# Altium PCB FINAL_PCB_VER0.PcbDoc (part 3 of 4) (continued)
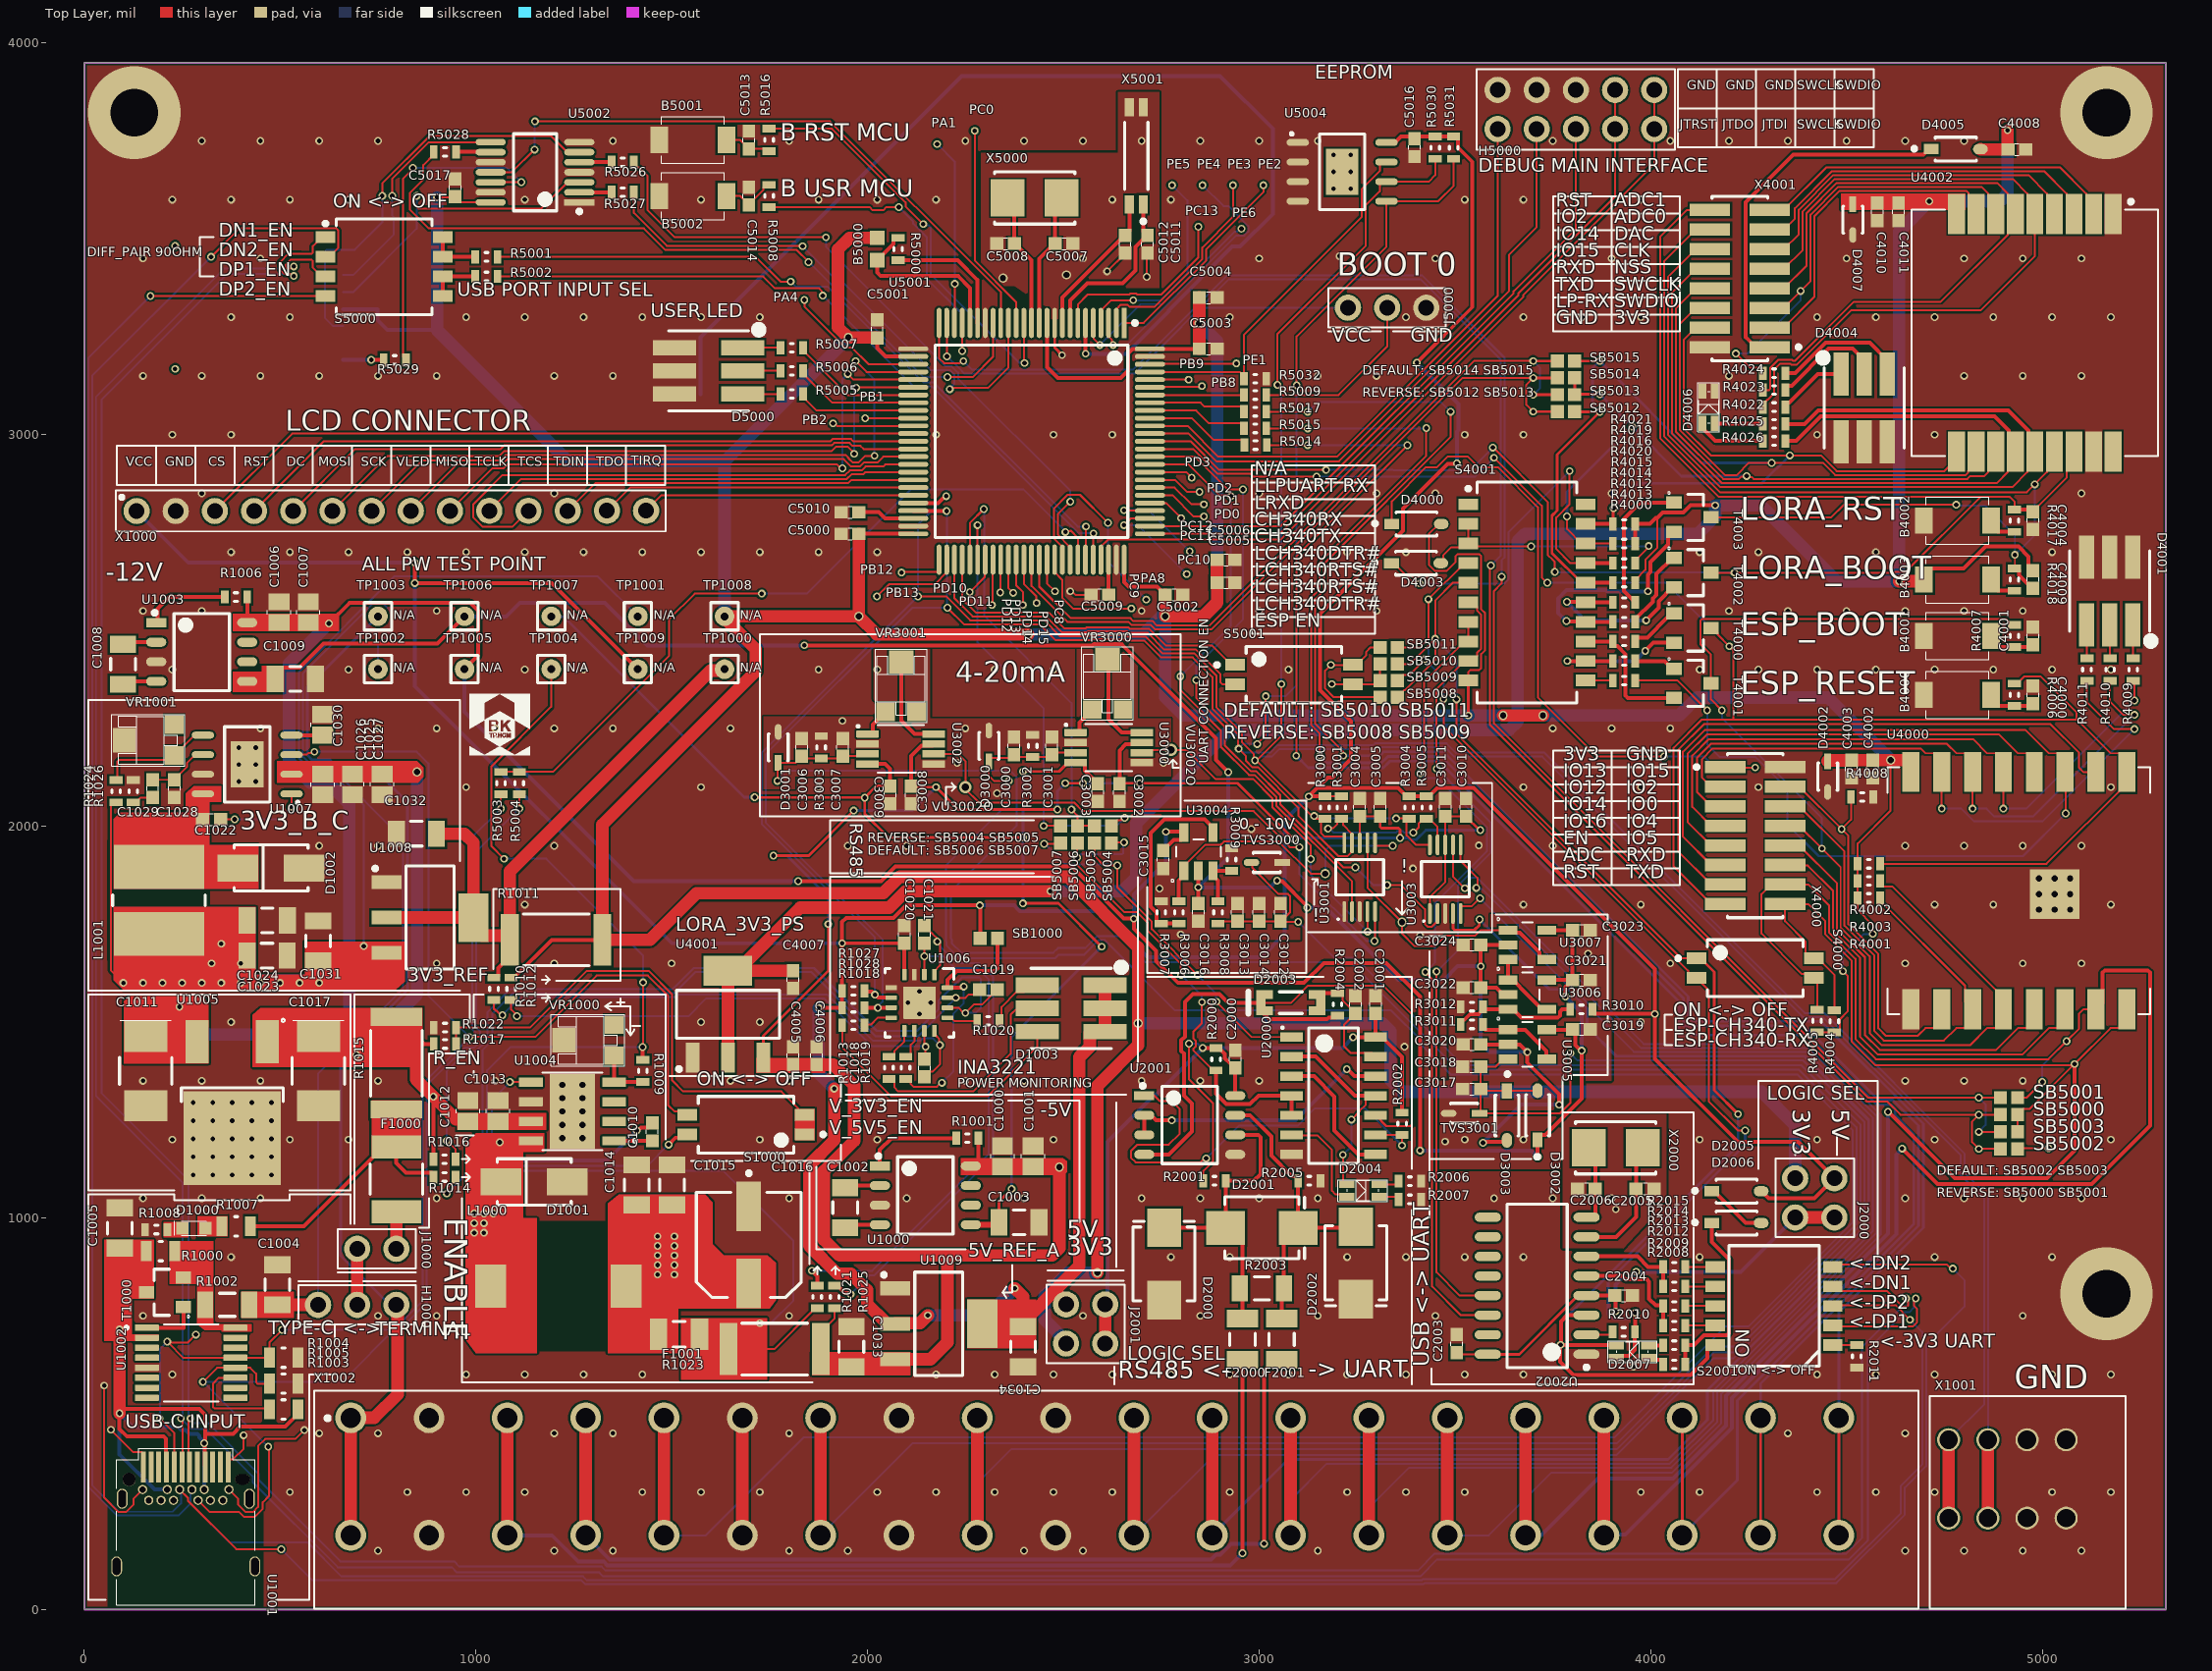
[diagram p0: Top Layer view]
## Nets (pads, with @x,y where several pads share a name; then routed paths per layer and width w, separated by ;. In a path a pad name is that pad's centre, name@x,y a point inside that pad or via, vN(x,y) a via of type N, cw(c..) or ccw(c..) an arc to the next point about the centre after c; other vN are vias at no path point) (continued)
NetD4006_4: D4006.4 R4026.2 | length 179.8
  Top Layer w10: D4006.4@4132.25,3028.66 4137.09,3023.82 4137.09,3011.65 4164.74,2984 R4026.2@4286.46,2984
NetF1000_1: F1000.1 J1000.1 | length 95
  Top Layer w32: J1000.1@797,921 F1000.1@797,1016
NetH1000_2: H1000.2 J1000.2 | length 143
  Top Layer w32: H1000.2@697,778 J1000.2@697,921
NetJ5000_2: J5000.2 R5009.1 | length 458.8
  Top Layer w5: R5009.1@3018.54,3101.11 3203.14,3101.11 3327,3224.97 J5000.2@3327,3324
NetPA1_1: PA1.1 U5001.23 | length 475.8
  Top Layer w5: U5001.23@2222.15,3285.18 2222.57,3285.61 2222.57,3384.57 v1(2223,3385)
  Bottom Layer w5: PA1.1@2178,3742 2223,3697 v1(2223,3385)
NetPA4_1: PA4.1 U5001.28 | length 355.9
  Top Layer w5: PA4.1@1839,3344 1839.11,3343.89 1839.11,3326.66 1943.71,3222.06 1960.47,3222.06 2002.68,3179.85 U5001.28@2116.82,3179.85
NetPA8_1: PA8.1 U5001.67 | length 558.6
  Top Layer w5: U5001.67@2497.74,2680.82 2497.74,2713.15 2475.66,2735.24 2475.66,2811.18 2510.82,2846.34 2542.66,2846.34 v1(2614,2775)
  Bottom Layer w5: v1(2614,2775) 2614,2677 PA8.1@2712,2579
NetPB8_1: PB8.1 U5001.95 | length 134.1
  Top Layer w5: U5001.95@2721.18,3120.8 2722.58,3122.19 2852.19,3122.19 PB8.1@2854,3124
NetPB9_1: PB9.1 U5001.96 | length 98.8
  Top Layer w5: U5001.96@2721.18,3140.48 PB9.1@2820,3140.48
NetPB12_1: PB12.1 U5001.51 | length 125.7
  Top Layer w5: PB12.1@2087,2648 2088.49,2649.49 2179.41,2649.49 2182.78,2652.86 U5001.51@2182.78,2680.82
NetPB13_1: PB13.1 U5001.52 | length 236.3
  Top Layer w5: PB13.1@2024,2587 2055.05,2618.05 2172.03,2618.05 2202.46,2648.48 U5001.52@2202.46,2680.82
NetPC0_1: PC0.1 U5001.15 | length 534.6
  Top Layer w5: PC0.1@2274,3776 2274,3444.69 2379.63,3339.06 U5001.15@2379.63,3285.18
NetPC8_1: PC8.1 U5001.65 | length 89.4
  Top Layer w5: U5001.65@2458.37,2680.82 2458.37,2620.63 PC8.1@2479,2600
NetPC9_1: PC9.1 U5001.66 | length 293.3
  Top Layer w5: U5001.66@2478.06,2680.82 2478.06,2648.48 2497,2629.53 2497,2584 2525,2556 PC9.1@2674,2556
NetPC10_1: PC10.1 U5001.78 | length 285.1
  Top Layer w5: v1(2655,2769) 2672.15,2786.15 U5001.78@2721.18,2786.15
  Bottom Layer w5: v1(2655,2769) 2690,2769 PC10.1@2815,2644
NetPC11_1: PC11.1 U5001.79 | length 278.2
  Top Layer w5: v1(2655,2807) 2655.58,2806.42 2720.6,2806.42 U5001.79@2721.18,2805.83
  Bottom Layer w5: v1(2655,2807) 2718,2807 PC11.1@2823,2702
NetPC12_1: PC12.1 U5001.80 | length 95.8
  Top Layer w5: U5001.80@2721.18,2825.52 2721.36,2825.35 2762.65,2825.35 PC12.1@2801,2787
NetPC13_1: PC13.1 U5001.7 | length 485.5
  Top Layer w5: U5001.7@2537.11,3285.18 2537.11,3332.35 2562.53,3357.77 2668.49,3357.77 2671.42,3360.7 2685.79,3360.7 2688.72,3357.77 2749.77,3357.77 2845,3453 PC13.1@2845,3531
NetPD10_1: PD10.1 U5001.57 | length 99.3
  Top Layer w5: PD10.1@2261,2598 2299.49,2636.49 2299.49,2679.42 U5001.57@2300.89,2680.82
NetPD11_1: PD11.1 U5001.58 | length 116.9
  Top Layer w5: PD11.1@2318,2565 2319.29,2566.29 2319.29,2679.53 U5001.58@2320.57,2680.82
NetPD12_1: PD12.1 U5001.59 | length 84.3
  Top Layer w5: PD12.1@2339,2597 2339.63,2597.63 2339.63,2680.19 U5001.59@2340.26,2680.82
NetPD13_1: PD13.1 U5001.60 | length 89.8
  Top Layer w5: U5001.60@2359.94,2680.82 2359.94,2608.06 PD13.1@2372,2596
NetPD14_1: PD14.1 U5001.61 | length 123
  Top Layer w5: U5001.61@2379.63,2680.82 2379.63,2615.72 2397,2598.35 PD14.1@2397,2565
NetPD15_1: PD15.1 U5001.62 | length 124.4
  Top Layer w5: U5001.62@2399.32,2680.82 2399.32,2619.16 2431.13,2587.34 2431.13,2570.87 PD15.1@2432,2570
NetPE1_1: PE1.1 U5001.98 | length 221.7
  Top Layer w5: U5001.98@2721.18,3179.85 2722.26,3180.93 2940.93,3180.93 PE1.1@2942,3182
NetPE2_1: PE2.1 U5001.1 | length 528.6
  Top Layer w5: U5001.1@2655.22,3285.18 2705.47,3285.18 2865,3444.72 2865,3473.72 3010.94,3619.66 3010.94,3636.94 PE2.1@3011,3637
NetPE3_1: PE3.1 U5001.2 | length 533
  Top Layer w5: U5001.2@2635.54,3285.18 2635.54,3319.5 2641.57,3325.53 2641.57,3326.78 2645.96,3331.17 2664.48,3331.17 2669.64,3326.02 2732.16,3326.02 2855,3448.86 2855,3477.86 2933.33,3556.19 PE3.1@2933.33,3637
NetPE4_1: PE4.1 U5001.3 | length 699.9
  Top Layer w5: U5001.3@2615.85,3285.18 2615.85,3250.9 2624.53,3242.22 2624.53,3231.87 v1(2627.34,3229.06)
  Bottom Layer w5: v1(2627.34,3229.06) 2662.63,3229.06 2942.23,3508.66 2962.18,3508.66 2972.34,3518.82 2972.34,3533.18 2921.84,3583.69 2908.98,3583.69 PE4.1@2855.67,3637
NetPE5_1: PE5.1 U5001.4 | length 533.6
  Top Layer w5: U5001.4@2596.17,3285.18 2596.17,3317.52 2622,3343.36 v1(2678.61,3343.36)
  Bottom Layer w5: v1(2678.61,3343.36) 2748.64,3343.36 2817,3411.72 2817,3598 PE5.1@2778,3637
NetPE6_1: PE6.1 U5001.5 | length 547.7
  Top Layer w5: U5001.5@2576.48,3285.18 2577.88,3283.79 2577.88,3244.7 v1(2593.51,3229.06)
  Bottom Layer w5: v1(2593.51,3229.06) 2697.81,3333.36 2752.78,3333.36 2938.08,3518.66 2943.68,3518.66 2951.03,3526 PE6.1@2955,3526
NetR1000_2: R1000.2 R1002.1 T1000.2 U1002.16
NetR1001_1: R1001.1 U1000.1 | length 248.3
  Top Layer w10: U1000.1@2031.72,1132.41 2031.72,1173.72 2061.41,1203.41 R1001.1@2226.46,1203.41
NetR1003_1: R1003.1 U1002.11 | length 269.1
  Top Layer w5: U1002.11@385.99,591.61 343.61,591.61 329,577 329,517.1 333.1,513 470.58,513 R1003.1@472.58,511
NetR1004_2: R1004.2 R5003.2 U1001.A5 U1002.13 | length 2572.9
  Top Layer w5: v1(193,488) 229.79,451.21 U1001.A5@229.79,365.86 ; v1(212,684) v1@214,682 ; v1(285,702) 265,682 v1@214,682 ; v1(505,714) 472.58,681.58 R1004.2@472.58,642.8 U1002.13@385.99,642.8 385.59,642.4 253.6,642.4 v1@214,682 ; v1(1064,2045) R5003.2@1064,2081.71
  Bottom Layer w5: v1(193,488) 193,665 v1(212,684) ; v1(505,714) 776.79,714 799.83,737.04 813.97,737.04 864.1,787.16 864.1,1341.66 967.1,1444.66 991.18,1444.66 1001.34,1454.82 1001.34,1471.6 990.6,1482.34 990.6,1971.6 v1(1064,2045)
NetR1005_2: R1005.2 R5004.2 U1001.B5 U1002.12 | length 2881.4
  Top Layer w5: U1001.B5@290.81,278.85 320.96,248.7 395.52,248.7 407.52,236.7 435.91,236.7 456,256.78 456,273.75 471.92,289.67 471.92,414.08 v1(470,416) ; v1(303,581) 339.2,617.2 U1002.12@385.99,617.2 423.8,617.2 439,602 439,580.1 443.1,576 471.69,576 R1005.2@472.58,576.9 ; v1(1111,2045) R5004.2@1111,2081.71
  Bottom Layer w5: v1(303,581) v1@304,581 ; v1(470,416) 469,416 v1@304,581 ; v1(1111,2045) 1000.6,1934.6 1000.6,1486.48 1011.34,1475.74 1011.34,1450.67 995.33,1434.66 971.24,1434.66 874.1,1337.52 874.1,783.02 818.11,727.04 803.97,727.04 657.93,581 v1@304,581
NetR1006_1: R1006.1 U1003.1 | length 221
  Top Layer w10: U1003.1@183.86,2520 187,2523.14 187,2555 217.63,2585.63 R1006.1@359,2585.63
NetR1009_2: R1009.2 U1004.4 VR1000.1 | length 141.3
  Top Layer w10: VR1000.1@1352.95,1414.39 U1004.4@1352.95,1346.76 R1009.2@1426.65,1346.76
NetR1013_1: R1013.1 U1006.10 | length 79
  Top Layer w5: R1013.1@2097.58,1411.85 2104.47,1411.85 2110.81,1418.19 2110.81,1441.81 2119.78,1450.78 U1006.10@2119.78,1477.57
NetR1017_1: R1017.1 R1022.2 S1000.1 S1000.2 | length 1273.9
  Top Layer w5: R1017.1@949.54,1444 R1022.2@949.54,1486 1138,1486 1283,1631 1441.14,1631 1501,1571.14 1501,1351 1529,1323 1780,1323 S1000.2@1840,1263
NetR1018_1: R1018.1 U1006.8 | length 76.1
  Top Layer w5: R1018.1@1992.54,1492 1994.33,1493.79 2008.79,1493.79 2026.04,1511.04 U1006.8@2060.73,1511.04
NetR1019_1: R1019.1 U1006.9 | length 86
  Top Layer w5: R1019.1@2055,1411.85 2061.89,1411.85 2068.23,1418.19 2068.23,1425.08 2094.19,1451.04 U1006.9@2094.19,1477.57
NetR1020_1: R1020.1 U1006.13 | length 78.8
  Top Layer w5: U1006.13@2204.43,1511.04 2213.29,1511.04 2221.32,1503 R1020.1@2279.94,1503
NetR1024_2: R1024.2 U1007.5 VR1001.1 | length 294.9
  Top Layer w5: R1024.2@81.13,2118.02 84.35,2121.24 84.35,2164.9 88.45,2169 218.5,2169 282.24,2232.74 U1007.5@302.94,2232.74
NetR2000_1: R2000.1 SB5004.2 SB5006.2 U2000.4 U2000.5 | length 1280.3
  Top Layer w5: SB5006.2@2536.33,1957 2535,1955.67 v1(2535,1920) 2535,1901.45 2655.1,1781.34 2687.18,1781.34 2715.77,1752.76 2715.77,1733.09 2799.1,1649.75 2799.1,1621.9 v1(2801,1620) ; SB5004.2@2623,1957 2625,1959 v1(2655.16,1959) ; v1(2854,1551) 2854,1497.64 2832.66,1476.3 2832.66,1457.87 2838.34,1452.18 2838.34,1437.82 2832.66,1432.13 2832.66,1426.91 2883.11,1376.46 R2000.1@2890,1376.46
  Top Layer w10: R2000.1@2890,1376.46 2890,1316.5 2916.16,1290.34 2976.96,1290.34 2998.47,1311.85 U2000.4@3082.81,1311.85 U2000.5@3082.81,1261.85
  Bottom Layer w5: v1(2535,1920) 2536.96,1920 2545.27,1928.32 2650.39,1928.32 2653.32,1931.24 2653.32,1957.16 v1(2655.16,1959) ; v1(2801,1620) 2854,1567 v1(2854,1551)
NetR2002_1: R2002.1 U2000.9 U2001.1 | length 1219.8
  Top Layer w5: U2001.1@2706.86,1312 2732.5,1312 2746.27,1298.23 2765.73,1298.23 2771.29,1303.79 2797.31,1277.78 2797.31,1215.31 2769,1187 2689.34,1187 2672.69,1170.35 2672.69,1153.65 2684.49,1141.84 2850.87,1141.84 2861.03,1152 v1(2865,1152) ; U2000.9@3297.38,1211.85 3365,1211.85 v1(3365,1185)
  Bottom Layer w5: v1(2865,1152) 2948.5,1235.5 3098.59,1235.5 3143,1279.9 3270.1,1279.9 v1(3365,1185)
NetR2010_2: R2010.2 U2002.2 | length 70.3
  Top Layer w5: U2002.2@3835.98,701.61 3896.27,701.61 3902.61,707.96 R2010.2@3902.61,709
NetR2011_2: R2011.2 S2001.1 | length 61
  Top Layer w5: S2001.1@4465,675 R2011.2@4526,675
NetR2012_1: R2012.1 S2001.9 | length 76.5
  Top Layer w5: R2012.1@4088.54,725 S2001.9@4165,725
NetR2012_2: R2012.2 R2013.2 U2002.5 | length 302.9
  Top Layer w10: U2002.5@3835.98,851.61 3926.32,851.61 3935.24,842.7 3990.14,842.7 3996,836.84 3996,793 4012.47,776.53 4029.93,776.53 R2013.2@4031.46,775 R2012.2@4031.46,725
NetR2013_1: R2013.1 S2001.8 | length 76.5
  Top Layer w5: R2013.1@4088.54,775 S2001.8@4165,775
NetR2014_1: R2014.1 S2001.7 | length 76.5
  Top Layer w5: R2014.1@4088.54,825 S2001.7@4165,825
NetR2014_2: R2014.2 R2015.2 U2002.6 | length 256.5
  Top Layer w10: U2002.6@3835.98,901.61 3966.47,901.61 3993.09,875 R2015.2@4031.46,875 R2014.2@4031.46,825
NetR2015_1: R2015.1 S2001.6 | length 76.5
  Top Layer w5: R2015.1@4088.54,875 S2001.6@4165,875
NetR3006_1: R3006.1 R3007.2 U3004.4 | length 486.7
  Top Layer w10: R3006.1@2795,1751.46 R3007.2@2750,1751.46 2743.11,1751.46 2738.27,1756.3 2738.27,1779.56 2723.27,1794.56 2723.27,1983.27 2758.23,2018.23 2860.79,2018.23 2882.4,1996.61 U3004.4@2882.4,1984.41
NetR3006_2: R3006.2 U3001.6 U3004.1 | length 803
  Top Layer w5: U3004.1@2807.6,1885.59 2807.6,1897.8 2862.89,1953.09 2902.37,1953.09 2910.16,1960.89 3049.97,1960.89 3132.05,1878.81 v3(3168.81,1878.81) ; U3001.6@3296.37,1957.6 3296.37,1952.24 3298.61,1950 v1(3341,1950)
  Top Layer w10: R3006.2@2795,1808.54 2795,1860.79 2807.6,1873.39 U3004.1@2807.6,1885.59
  Bottom Layer w5: v3(3168.81,1878.81) 3168.81,1886.08 3169,1886.27 3169,1938 3180.5,1949.5 3340.5,1949.5 v1(3341,1950)
NetR3008_2: R3008.2 R3009.2 U3004.3 | length 130.2
  Top Layer w10: R3008.2@2895,1808.54 2895,1860.79 2882.4,1873.39 U3004.3@2882.4,1885.59 2883.27,1886.46 R3009.2@2930,1886.46
NetR3010_2: R3010.2 R3011.2 R3012.2 U3006.3 | length 326.8
  Top Layer w10: R3011.2@3514.75,1494 3514.75,1500.89 3519.59,1505.73 3524.43,1505.73 3539.43,1520.73 3560.46,1520.73 R3012.2@3571.83,1532.11 ; R3012.2@3571.83,1539 3571.83,1537.44 3576.68,1532.6 U3006.3@3635.59,1532.6 3647.8,1532.6 3669.41,1510.98 3762.37,1510.98 3768.23,1516.84 3768.23,1526.74 3774.09,1532.6 R3010.2@3794.46,1532.6
NetR3011_1: R3011.1 U3005.1 U3005.4 | length 214.9
  Top Layer w10: R3011.1@3571.84,1494 3571.84,1487.11 3578.54,1480.4 U3005.1@3635.59,1480.4 3679.6,1480.4 3702,1458 3702,1457.61 3733.25,1426.35 3733.25,1406.76 U3005.4@3734.41,1405.6
NetR4012_1: R4012.1 S4001.13 T4001.2 | length 352.1
  Top Layer w10: S4001.13@3833.41,2472 R4012.1@3903.46,2472 3903.46,2465.11 3908.3,2460.26 3915.19,2460.26 3935.94,2439.51 3935.94,2333.46 3941.79,2327.6 T4001.2@4059.51,2327.6
NetR4012_2: R4012.2 T4000.1 | length 131.8
  Top Layer w10: R4012.2@3960.54,2472 3960.54,2477.32 3965.39,2482.16 3991.16,2482.16 4041.99,2532.99 4048.76,2532.99 T4000.1@4059.51,2543.73
NetR4013_1: R4013.1 S4001.12 T4000.2 | length 408.4
  Top Layer w10: v1(3787,2422) S4001.12@3833.41,2422 R4013.1@3903.46,2422 ; v1(3986,2448) 4006.93,2468.93 T4000.2@4059.51,2468.93
  Bottom Layer w10: v1(3787,2422) 3960,2422 v1(3986,2448)
NetR4013_2: R4013.2 T4001.1 | length 107.1
  Top Layer w10: R4013.2@3960.54,2422 4035.98,2422 4055.57,2402.4 T4001.1@4059.51,2402.4
NetR4014_1: R4014.1 S4001.14 T4003.2 | length 606.1
  Top Layer w10: v1(3785,2524) 3786,2523 3832.41,2523 S4001.14@3833.41,2522 R4014.1@3903.46,2522 ; v1(3993,2600) 3993,2642.25 3999.81,2649.06 3999.81,2674.94 4044.83,2719.96 4044.83,2740.85 4055.57,2751.6 T4003.2@4059.51,2751.6
  Bottom Layer w10: v1(3785,2524) 3764.19,2544.81 3764.19,2582.03 3785.15,2603 3885.73,2603 3888.73,2600 v1(3993,2600)
NetR4014_2: R4014.2 T4002.1 | length 206.4
  Top Layer w10: R4014.2@3960.54,2522 3960.54,2528.89 4005.11,2573.45 4005.11,2581.26 4014.81,2590.97 4014.81,2644.3 4055.57,2685.07 T4002.1@4059.51,2685.07
NetR4015_1: R4015.1 S4001.15 T4002.2 | length 456
  Top Layer w10: v1(3786,2573) 3786.5,2572.5 3832.91,2572.5 S4001.15@3833.41,2572 R4015.1@3903.46,2572 ; v1(3988.35,2525.85) 4020.11,2557.6 4020.11,2574.8 4055.57,2610.27 T4002.2@4059.51,2610.27
  Bottom Layer w10: v1(3786,2573) 3833.15,2525.85 v1(3988.35,2525.85)
NetR4015_2: R4015.2 T4003.1 | length 369.4
  Top Layer w10: R4015.2@3960.54,2572 3932,2600.54 3932,2784.8 3973.6,2826.4 T4003.1@4059.51,2826.4
NetR5000_2: R5000.2 U5001.20 | length 333.8
  Top Layer w10: R5000.2@2078,3445.46 2230.54,3445.46 2281.2,3394.8 U5001.20@2281.2,3285.18
NetR5001_1: R5001.1 S5000.7 S5000.8 | length 132.5
  Top Layer w10: S5000.8@916,3504 S5000.7@916,3454 R5001.1@998.46,3454
NetR5001_2: R5001.2 U5001.70 | length 1873
  Top Layer w5: R5001.2@1055.54,3454 1715,3454 1778.03,3390.97 v1(1804,3391) ; U5001.70@2556.8,2680.82 2557.4,2681.42 2557.4,2764.74 v1(2558,2765.34)
  Bottom Layer w5: v1(1804,3391) 1817.66,3377.34 1898.99,3377.34 2142.33,3134 2167.93,3134 2536.93,2765 2557.66,2765 v1(2558,2765.34)
NetR5002_1: R5002.1 S5000.5 S5000.6 | length 132.5
  Top Layer w10: S5000.5@916,3354 S5000.6@916,3404 R5002.1@998.46,3404
NetR5002_2: R5002.2 U5001.71 | length 1866
  Top Layer w5: R5002.2@1055.54,3404 1733.56,3404 1763.93,3373.63 1876.57,3373.63 1883.19,3367.01 1883.19,3357.81 v1(1886,3355) ; U5001.71@2576.48,2680.82 2576.74,2681.08 2576.74,2747.74 v1(2577,2748)
  Bottom Layer w5: v1(1886,3355) 2117,3124 2163.78,3124 2539.78,2748 v1(2577,2748)
NetR5003_1: R5003.1 R5004.1 U5001.69 | length 1937.6
  Top Layer w5: R5003.1@1064,2138.8 R5004.1@1111,2138.8 1197.46,2138.8 1493.32,2434.66 1493.32,2528.32 1559,2594 v1(1730,2594) ; v1(2505.49,2751.38) 2508.3,2754.19 2517.99,2754.19 2518.8,2755 2537.11,2736.69 U5001.69@2537.11,2680.82
  Bottom Layer w5: v1(1730,2594) 1845.16,2594 2111.5,2860.34 2397.66,2860.34 2505.49,2752.51 v1(2505.49,2751.38)
NetR5009_2: R5009.2 U5001.94 | length 240.3
  Top Layer w5: U5001.94@2721.18,3101.11 R5009.2@2961.46,3101.11
NetR5014_1: R5014.1 U5001.91 | length 273.8
  Top Layer w5: U5001.91@2721.18,3042.06 2828.25,3042.06 2883.83,2986.48 2956.11,2986.48 2962.46,2980.13 R5014.1@2962.46,2973.24
NetR5015_1: R5015.1 U5001.92 | length 263.3
  Top Layer w5: U5001.92@2721.18,3061.74 2839.22,3061.74 2871.86,3029.1 2955.11,3029.1 2961.46,3022.76 R5015.1@2961.46,3015.87
NetR5016_2: R5016.2 U5001.14 | length 1079
  Top Layer w5: R5016.2@1749,3781.05 R5016.2@1749,3781.05 1909.41,3781 2097.34,3593.06 2097.34,3582.68 v1(2142.51,3537.51) ; U5001.14@2399.32,3285.18 2400.16,3284.34 2400.16,3183.84 v1(2401,3183)
  Bottom Layer w5: v1(2142.51,3537.51) 2145.32,3534.7 2156.3,3534.7 2161,3530 2161,3410 2387.24,3183.76 2400.24,3183.76 v1(2401,3183)
NetR5017_1: R5017.1 U5001.93 | length 253.8
  Top Layer w5: U5001.93@2721.18,3081.43 2850.69,3081.43 2860.4,3071.72 2955.11,3071.72 2961.46,3065.38 R5017.1@2961.46,3058.49
NetR5026_1: R5026.1 U5001.16 | length 1370.3
  Top Layer w5: R5026.1@1403.61,3619.05 1403.61,3566.18 1487.39,3482.4 1833.13,3482.4 v1(1834.26,3481.26) ; v1(2210.23,3116.23) 2213.04,3119.04 2307.22,3119.04 2359.94,3171.76 U5001.16@2359.94,3285.18
  Bottom Layer w5: v1(1834.26,3481.26) 1834.26,3480.74 1910.07,3404.93 1921.52,3404.93 2162.12,3164.33 2211.17,3164.33 2221.33,3154.17 2221.33,3129.65 2210.23,3118.54 v1(2210.23,3116.23)
NetR5026_2: R5026.2 U5002.2 | length 82.3
  Top Layer w10: U5002.2@1264.2,3619.05 R5026.2@1346.52,3619.05
NetR5027_1: R5027.1 U5001.68 | length 1742.1
  Top Layer w5: R5027.1@1403.61,3695.83 1403.61,3689.58 1410.95,3682.24 1417.2,3682.24 1438.5,3660.93 1438.5,3572.93 1507.43,3504 v1(1894,3504) ; U5001.68@2517.43,2680.82 2517.43,2713.15 2485.66,2744.92 2485.66,2796.66 v1(2518,2829)
  Bottom Layer w5: v1(1894,3504) 1894,3480.53 2200.19,3174.33 2215.31,3174.33 2231.33,3158.31 2231.33,3143.19 2518,2856.53 v1(2518,2829)
NetR5027_2: R5027.2 U5002.5 | length 82.3
  Top Layer w10: U5002.5@1264.2,3695.83 R5027.2@1346.52,3695.83
NetR5028_1: R5028.1 U5001.18 | length 1946.6
  Top Layer w5: R5028.1@892.46,3722 892.46,3715.11 865.73,3688.38 865.73,3651.37 831.54,3617.18 831.54,3574.93 880.01,3526.46 1429.18,3526.46 1483.24,3472.4 1818.08,3472.4 v1(1849.74,3440.74) ; v1(2203.99,3146.99) 2268.99,3146.99 2320.57,3198.57 U5001.18@2320.57,3285.18
  Bottom Layer w5: v1(1849.74,3440.74) 2143.49,3146.99 v1(2203.99,3146.99)
NetR5028_2: R5028.2 U5002.9 | length 88.3
  Top Layer w10: R5028.2@949.54,3722 U5002.9@1037.8,3722
NetR5029_1: R5029.1 U5003.7 | length 103.2
  Top Layer w10: v1(733,3190.82) R5029.1@764.46,3190.82
  Bottom Layer w10: U5003.7@661.21,3190.82 v1(733,3190.82)
NetR5029_2: R5029.2 U5002.12 | length 874
  Top Layer w5: R5029.2@821.54,3190.82 814.2,3198.16 814.2,3207.78 814,3207.98 814,3653.15 839,3678.15 v1(839,3681) ; U5002.12@1037.8,3644.46 1038.07,3644.73 1115.73,3644.73 v1(1116,3645)
  Bottom Layer w5: v1(839,3681) 1080,3681 v1(1116,3645)
NetR5032_1: R5032.1 U5001.97 U5004.7 | length 954.8
  Top Layer w5: U5001.97@2721.18,3160.17 2951.18,3160.17 R5032.1@2961.46,3149.89 ; R5032.1@2961.46,3143 R5032.1@2961.46,3149.89 ; U5004.7@3325.28,3696 3314.05,3696 3309.1,3691.05 3309.1,3674.05 3262.52,3627.47 3262.52,3556.52 2961.46,3255.46 R5032.1@2961.46,3149.89
NetS1000_3: S1000.3 U1007.3 | length 2038.5
  Top Layer w5: U1007.3@529.35,2182.78 568.16,2182.78 572.73,2187.34 585.19,2187.34 v1(588,2190.15) ; v1(984,1462) 1151.83,1462 1308.51,1618.68 1439.32,1618.68 1491,1567 1491,1288 1507.41,1271.59 1531.41,1271.59 S1000.3@1540,1263
  Bottom Layer w5: v1(588,2190.15) 848.99,2190.15 856.33,2182.81 879,2160.14 879,1567 v1(984,1462)
NetS1000_4: S1000.4 U1004.5 | length 789.3
  Top Layer w5: v1(1087,1347) 1140.11,1347 U1004.5@1140.35,1346.76
  Top Layer w10: v1(1492,1187) 1509.88,1204.88 1531.88,1204.88 S1000.4@1540,1213
  Bottom Layer w5: v1(1087,1347) 1040.69,1300.69 1040.69,1184.59 1092.78,1132.5 1437.5,1132.5 v1(1492,1187)
NetS4001_6: S4001.6 S4001.9 U2002.13 | length 2060.4
  Top Layer w5: v1(3453,1629) 3453,861 3512.39,801.61 U2002.13@3584.02,801.61 ; v1(3453.97,2146.97) 3453,2147.94 3453,2350.44 3524.55,2422 S4001.9@3534.59,2422 3544.63,2422 3557.09,2434.46 3557.09,2443.93 3567.09,2453.93 3567.09,2540.06 3557.09,2550.06 3557.09,2559.54 3544.63,2572 S4001.6@3534.59,2572
  Bottom Layer w5: v1(3453,1629) 3507.99,1683.99 3507.99,1848.85 3592.34,1933.2 3592.34,2008.6 v1(3453.97,2146.97)
NetS5001_3: S5001.3 SB5009.2 SB5010.2 | length 170
  Top Layer w5: v1(3185.74,2363) 3238.3,2363 S5001.3@3239.14,2362.15 3299.16,2362.15 SB5009.2@3309,2372 SB5010.2@3309,2414.33
NetS5001_4: S5001.4 SB5008.2 SB5011.2 | length 365.6
  Top Layer w5: SB5008.2@3309,2329.66 3190.81,2329.66 3168.4,2352.08 3168.4,2397.4 v1(3183,2412) 3238.99,2412 S5001.4@3239.14,2412.15 3249.18,2412.15 3273.2,2436.18 3273.2,2445.1 3284.77,2456.66 SB5011.2@3309,2456.66
NetSB5005_2: SB5005.2 SB5007.2 U2000.1 | length 1035.9
  Top Layer w5: v1(2451,1955) 2491,1955 SB5007.2@2493,1957 ; SB5005.2@2579.67,1957 2579.67,1923.91 2603.57,1900 v1(2638,1900) 2638,1844.67 2725.77,1756.9 2725.77,1737.23 v1(2843,1620) ; v1(2891,1552) 2981.15,1461.85 U2000.1@3082.81,1461.85
  Bottom Layer w5: v1(2451,1955) 2453.84,1955 2506.18,1902.66 2635.34,1902.66 v1(2638,1900) ; v1(2843,1620) 2889.68,1573.32 2889.68,1553.32 v1(2891,1552)
NetT1000_1: T1000.1 U1002.1 | length 146.3
  Top Layer w10: U1002.1@160.01,719.57 253.24,719.57 T1000.1@253.24,772.6
NetU2000_3: U2000.3 U2000.8 | length 348.4
  Top Layer w10: U2000.3@3082.81,1361.85 3140.15,1361.85 3192,1310 3192,1223 3253.15,1161.85 U2000.8@3297.38,1161.85
NetU2000_12: U2000.12 U2001.2 U2001.3 | length 707.7
  Top Layer w10: U2001.3@2706.86,1212 U2001.2@2706.86,1262 2724.48,1262 2737.48,1249 v1(2777,1249) ; v1(3224,1380) 3225.62,1380 3243.77,1361.85 U2000.12@3297.38,1361.85
  Bottom Layer w10: v1(2777,1249) 3093,1249 v1(3224,1380)
NetU3000_1: U3000.1 VR3000.1 | length 79.1
  Top Layer w10: U3000.1@2531.35,2239.39 2536.42,2239.39 2540.87,2243.83 2540.87,2265.24 VR3000.1@2573.63,2298.01
NetU3000_6: U3000.6 U3001.4 | length 879.8
  Top Layer w5: U3000.6@2700.65,2188.2 2707.44,2195 2814.41,2195 2817.34,2192.07 2888.41,2121 2984.11,2121 3034.13,2070.98 3034.13,2048.18 3132,1950.31 v1(3132,1916) ; U3001.4@3276.69,1782.4 3276.84,1782.24 3276.84,1731.16 v1(3277,1731)
  Bottom Layer w5: v1(3132,1916) 3132.2,1915.8 3132.2,1875.8 v1(3277,1731)
  other v6: 2775,2195
NetU3000_8: U3000.8 VR3000.2 | length 252.8
  Top Layer w10: VR3000.2@2613,2425.96 2614.97,2423.99 2614.97,2274.02 2649.61,2239.39 U3000.8@2700.65,2239.39
NetU3001_5: U3001.5 U3002.6 | length 1481.1
  Top Layer w5: U3002.6@2169.65,2184.64 2231.36,2184.64 2250,2166 2250,2095 2284.66,2060.34 2528.18,2060.34 2549.63,2038.89 2986.11,2038.89 3078.26,1946.74 v1(3102.74,1946.74) ; v1(3295,1707) 3296.31,1708.31 3296.31,1782.34 U3001.5@3296.37,1782.4
  Bottom Layer w5: v1(3102.74,1946.74) 3102.74,1877.95 3273.69,1707 v1(3295,1707)
  other v6: 2250,2100
NetU3001_7: U3001.7 U3007.1 U3007.4 | length 705.4
  Top Layer w5: U3001.7@3276.69,1957.6 3276.69,1843.31 v3(3365,1755) 3365,1726 3397,1694 3449.21,1694 3475.7,1720.49 3540.58,1720.49 3551.04,1720.49 3564.96,1734.4 U3007.1@3635.59,1734.4
  Top Layer w10: U3007.1@3635.59,1734.4 3641.91,1728.09 3665.92,1728.09 3716.09,1677.92 3716.09,1666.21 3722.7,1659.6 U3007.4@3734.41,1659.6
NetU3002_1: U3002.1 VR3001.1 | length 80.8
  Top Layer w10: U3002.1@2000.35,2235.82 2009.42,2235.82 2013.87,2240.27 2013.87,2259.37 VR3001.1@2046.63,2292.14
NetU3002_8: U3002.8 VR3001.2 | length 247.8
  Top Layer w10: VR3001.2@2086,2420.09 2086,2270.12 2120.3,2235.82 U3002.8@2169.65,2235.82
NetU3006_1: U3006.1 U3006.4 U3007.3 | length 182.2
  Top Layer w10: U3007.3@3635.59,1659.6 U3006.1@3635.59,1607.4 3647.8,1607.4 3685,1570.2 3685,1569.8 3722.2,1532.6 U3006.4@3734.41,1532.6
NetU5000_2: U5000.2 U5001.6 | length 2862.7
  Top Layer w10: U5001.6@2556.8,3285.18 2556.94,3285.04 2556.94,3206.81 v1(2557.08,3206.67)
  Bottom Layer w10: U5000.2@1574,3103 1574,3249.06 2240.94,3916 2900.14,3916 3035,3781.14 3035,3563.8 2951.52,3480.32 2931.56,3480.32 2769.04,3317.79 2769.04,3314.84 2660.88,3206.67 v1(2557.08,3206.67)
NetU5001_17: U5001.17 U5002.11 | length 1657.5
  Top Layer w5: U5002.11@1037.8,3670.05 1092.05,3670.05 v1(1150,3728) ; v1(1151,3800) 1904.55,3800 2340.26,3364.29 U5001.17@2340.26,3285.18
  Bottom Layer w5: v1(1150,3728) 1150.5,3728.5 1150.5,3799.5 v1(1151,3800)
NetU5001_37: U5001.37 X1000.3 | length 1865
  Top Layer w5: X1000.3@333.67,2804.98 531.38,3002.69 U5001.37@2116.82,3002.69
NetU5001_38: U5001.38 X1000.4 | length 1761.8
  Top Layer w5: X1000.4@433.67,2804.98 611.69,2983 1904.97,2983 1910.91,2988.95 1958.42,2988.95 1964.36,2983 U5001.38@2116.82,2983
NetU5001_39: U5001.39 X1000.5 | length 1661.7
  Top Layer w5: X1000.5@533.67,2804.98 692.01,2963.32 1063.55,2963.32 1073.24,2973 1909.11,2973 1915.06,2978.95 1954.28,2978.95 1961.62,2971.6 1981.96,2971.6 1990.25,2963.32 U5001.39@2116.82,2963.32
NetU5001_40: U5001.40 X1000.8 | length 1355.7
  Top Layer w5: X1000.8@834.05,2805.26 953.05,2924.26 1066.93,2924.26 1080.12,2937.46 1939.43,2937.46 1958.26,2918.63 1980.91,2918.63 1990.91,2928.63 2025.12,2928.63 2040.12,2943.63 U5001.40@2116.82,2943.63
NetU5001_41: U5001.41 X1000.11 | length 1367.2
  Top Layer w5: X1000.11@1134.43,2805.55 1093.47,2764.59 1017.47,2764.59 993.47,2788.58 993.47,2822.52 1067.61,2896.66 1943.18,2896.66 1955.16,2908.63 1985.05,2908.63 1995.05,2918.63 2004.81,2918.63 2040.3,2918.63 2045.62,2923.94 U5001.41@2116.82,2923.94
NetU5001_42: U5001.42 X1000.10 | length 1123.3
  Top Layer w5: X1000.10@1034.43,2805.55 1115.54,2886.66 1947.33,2886.66 1959.3,2898.63 1989.19,2898.63 1994.82,2904.26 U5001.42@2116.82,2904.26
NetU5001_43: U5001.43 X1000.12 | length 915.1
  Top Layer w5: X1000.12@1234.43,2805.55 1305.54,2876.66 1951.47,2876.66 1959.38,2884.57 U5001.43@2116.82,2884.57
NetU5001_44: U5001.44 X1000.13 | length 806.5
  Top Layer w5: X1000.13@1334.81,2805.83 1393.87,2864.89 U5001.44@2116.82,2864.89
NetU5001_45: U5001.45 X1000.14 | length 698.3
  Top Layer w5: X1000.14@1434.81,2805.83 1474.18,2845.2 U5001.45@2116.82,2845.2
NetU5002_3: U5002.3 U5003.3 | length 817.6
  Top Layer w5: v1(848.89,3610) 848.89,3606.03 841.54,3598.68 841.54,3589.46 853.51,3577.49 1167.03,3577.49 1233.99,3644.46 U5002.3@1264.2,3644.46
  Bottom Layer w5: U5003.3@661.21,3364.05 686.8,3364.05 848.89,3526.13 v1(848.89,3610)
NetU5002_6: U5002.6 U5003.5 | length 1072.2
  Top Layer w5: v1(761,3610) 761,3641.87 881.74,3762.6 1192.62,3762.6 1233.99,3721.23 U5002.6@1264.2,3721.23
  Bottom Layer w5: U5003.5@661.21,3277.43 635.62,3277.43 614.34,3298.71 614.34,3467.55 618.74,3471.94 690.94,3471.94 761,3542 v1(761,3610)
NetU5002_8: U5002.8 U5003.2 | length 605.9
  Top Layer w5: v1(786.32,3610) 786.32,3653.04 880.09,3746.82 U5002.8@1037.8,3746.82
  Bottom Layer w5: U5003.2@661.21,3407.36 686.8,3407.36 790,3510.55 790,3556.45 786.32,3560.13 v1(786.32,3610)
OSC32_IN: C5011.1 U5001.8 X5001.1 | length 443.2
  Top Layer w10: U5001.8@2517.43,3285.18 2517.43,3342.43 2562,3387 2652,3387 2683.99,3418.99 2683.99,3479.29 2701.52,3496.82 2704.01,3496.82 2715,3507.81 C5011.1@2715,3508.72 2704.43,3519.28 X5001.1@2704.43,3588
OSC32_OUT: C5012.1 U5001.9 X5001.4 | length 375.2
  Top Layer w10: U5001.9@2497.74,3285.18 2497.74,3350.05 2644.52,3496.82 2647.01,3496.82 2658,3507.81 C5012.1@2658,3508.72 2658,3509.62 2669,3520.62 X5001.4@2669,3588
OSC_IN: C5007.1 U5001.12 X5000.1 | length 343.7
  Top Layer w10: U5001.12@2438.69,3285.18 2438.69,3448.74 2477.94,3488 C5007.1@2478.85,3488 2478.85,3587.63 X5000.1@2495.9,3604.68
OSC_OUT: C5008.1 U5001.13 X5000.2 | length 345.3
  Top Layer w10: X5000.2@2358.1,3604.68 2375.15,3587.63 C5008.1@2375.15,3488 2376.06,3488 2419,3445.06 U5001.13@2419,3285.18
PB0: R5005.1 U5001.34 | length 302.9
  Top Layer w5: R5005.1@1835.4,3103.85 1835.4,3096.96 1870.62,3061.74 U5001.34@2116.82,3061.74
PB1: PB1.1 U5001.35 | length 122.8
  Top Layer w5: PB1.1@1994,3042 U5001.35@2116.79,3042.03
PB2: PB2.1 U5001.36 | length 207.6
  Top Layer w5: PB2.1@1912,3029 1915.97,3029 1922.6,3022.37 U5001.36@2116.82,3022.37
PC4: R5007.2 U5001.32 | length 335.5
  Top Layer w5: R5007.2@1835.4,3221.96 1835.4,3215.07 1949.36,3101.11 U5001.32@2116.82,3101.11
PC5: R5006.2 U5001.33 | length 319.2
  Top Layer w5: R5006.2@1835.4,3162.91 1835.4,3156.02 1909.99,3081.43 U5001.33@2116.82,3081.43
PD0: PD0.1 U5001.81 | length 160.3
  Top Layer w5: U5001.81@2721.18,2845.2 2778.86,2845.2 2833.06,2791 PD0.1@2859,2791
PD1: PD1.1 U5001.82 | length 155.6
  Top Layer w5: U5001.82@2721.18,2864.89 2784.52,2864.89 2827.41,2822 PD1.1@2859,2822
PD2: PD2.1 U5001.83 | length 139.5
  Top Layer w5: U5001.83@2721.18,2884.57 2785.17,2884.57 2815.75,2854 PD2.1@2848,2854
PD3: PD3.1 U5001.84 | length 112.7
  Top Layer w5: U5001.84@2721.18,2904.26 2813.74,2904.26 PD3.1@2828,2890